# Allegro board pc065a_toplevel_16_allplaced.brd (continued)
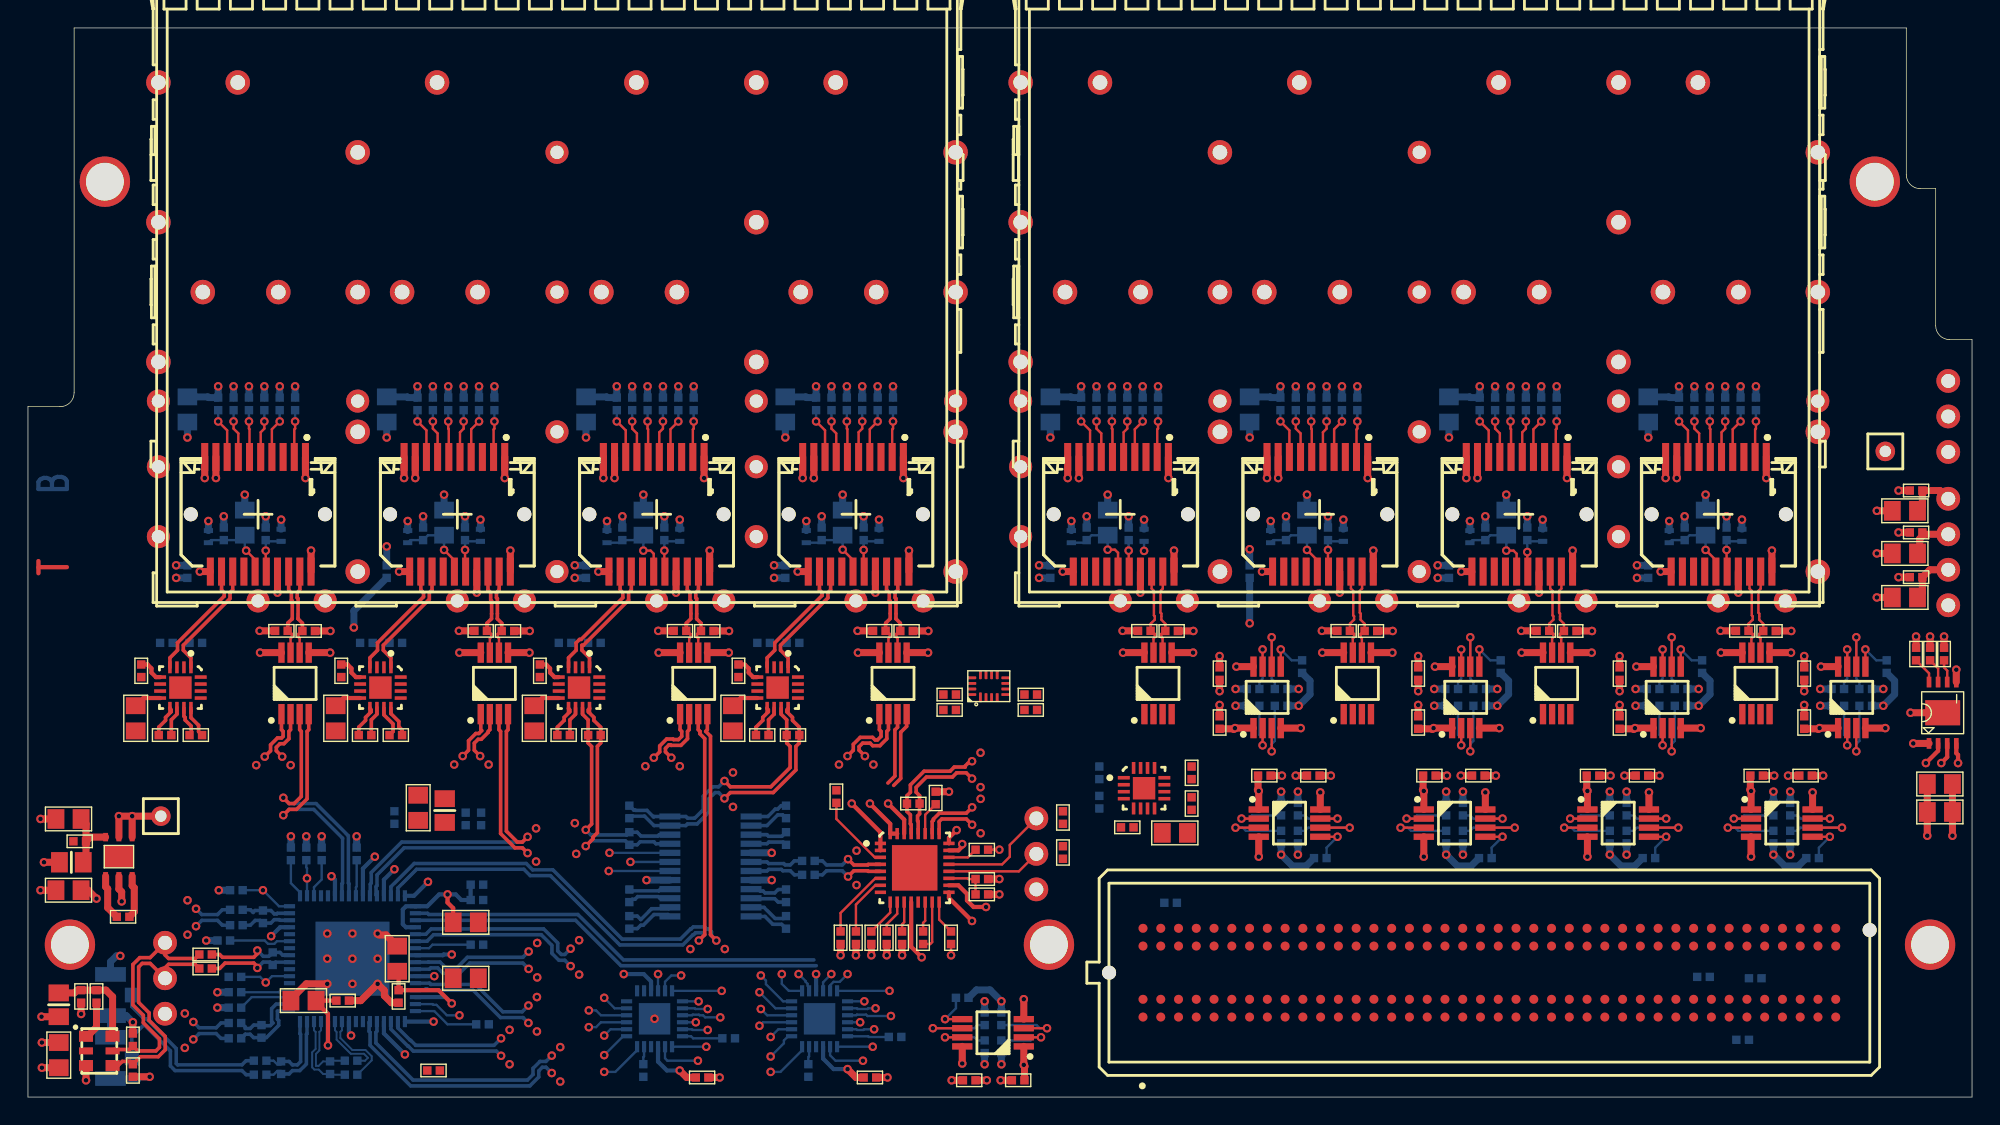
[diagram p0: board, top side]
## Routing (per net, layer and track width the routed paths; a pad name or vN(x,y) marks a point on that pad's centre or on a via; arc(x,y) is an arc through that point) (continued)
UNNAMED_1_CAPCERSMDCL2_I35_B_3: length 3.4
  TOP w0.17: v1(59.75,39.15) 59.75,37.64 J20.16
  BOTTOM w0.17: 60.85,39.77 59.84,39.77 C52.2 v1(59.75,39.15)
UNNAMED_1_CAPCERSMDCL2_I35_B_4: length 3.4
  TOP w0.17: v1(121.45,39.15) 121.45,37.64 J24.16
  BOTTOM w0.17: v1(121.45,39.15) C61.2 121.53,39.77 122.55,39.77
UNNAMED_1_CAPCERSMDCL2_I35_B_5: length 3.4
  TOP w0.17: v1(107.2,39) 107.2,37.64 J28.16
  BOTTOM w0.17: v1(107.2,39) C66.2 107.28,39.77 108.3,39.77
UNNAMED_1_CAPCERSMDCL2_I35_B_6: length 3.4
  TOP w0.17: J32.16 92.95,37.64 v1(92.95,39.15)
  BOTTOM w0.17: 94.05,39.77 93.03,39.77 C71.2 v1(92.95,39.15)
UNNAMED_1_CAPCERSMDCL2_I35_B_7: length 2.9
  TOP w0.17: J36.16 78.7,37.64 v1(78.7,39.1)
  BOTTOM w0.17: C76.2 v1(78.7,39.1) ; 79.8,39.77 v1(79.8,39.08)
UNNAMED_1_CON20PSFP_I19_RATES_1: length 3.5
  TOP w0.17: v1(28.95,48.35) 28.95,47.83 29.29,47.49 J12.7
  BOTTOM w0.17: R41.1 v1(28.95,48.35)
UNNAMED_1_CON20PSFP_I19_RATES_2: length 3.5
  TOP w0.17: J16.7 43.54,47.49 43.2,47.83 v1(43.2,48.35)
  BOTTOM w0.17: R49.1 v1(43.2,48.35)
UNNAMED_1_CON20PSFP_I19_RATES_3: length 3.5
  TOP w0.17: J20.7 57.79,47.49 57.45,47.83 v1(57.45,48.35)
  BOTTOM w0.17: R57.1 v1(57.45,48.35)
UNNAMED_1_CON20PSFP_I19_RATES_4: length 3.5
  TOP w0.17: v1(119.15,48.35) 119.15,47.83 119.49,47.49 J24.7
  BOTTOM w0.17: R106.1 v1(119.15,48.35)
UNNAMED_1_CON20PSFP_I19_RATES_5: length 3.5
  TOP w0.17: J28.7 105.24,47.49 104.9,47.83 v1(104.9,48.35)
  BOTTOM w0.17: R114.1 v1(104.9,48.35)
UNNAMED_1_CON20PSFP_I19_RATES_6: length 3.5
  TOP w0.17: v1(90.65,48.35) 90.65,47.83 90.99,47.49 J32.7
  BOTTOM w0.17: R122.1 v1(90.65,48.35)
UNNAMED_1_CON20PSFP_I19_RATES_7: length 3.5
  TOP w0.17: v1(76.4,48.35) 76.4,47.83 76.74,47.49 J36.7
  BOTTOM w0.17: R130.1 v1(76.4,48.35)
UNNAMED_1_CON20PSFP_I19_RATESEL: length 3.5
  TOP w0.17: J7.7 15.04,47.49 14.7,47.83 v1(14.7,48.35)
  BOTTOM w0.17: R29.1 v1(14.7,48.35)
UNNAMED_1_RSMD0402_I7_B: length 3.1
  TOP w0.17: IC11.5 v1(65.57,5.58)
  BOTTOM w0.17: v1(65.57,5.58) 66.35,6.35 R133.2
UNNAMED_1_RSMD0402_I7_B_1: length 3.1
  TOP w0.17: IC12.5 v1(93.63,18.62)
  BOTTOM w0.17: R138.2 92.85,17.85 v1(93.63,18.62)
UNNAMED_1_RSMD0402_I7_B_2: length 3.1
  TOP w0.17: IC14.5 v1(105.43,18.62)
  BOTTOM w0.17: R143.2 104.65,17.85 v1(105.43,18.62)
UNNAMED_1_RSMD0402_I7_B_3: length 3.1
  TOP w0.17: IC15.5 v1(117.13,18.62)
  BOTTOM w0.17: v1(117.13,18.62) 116.35,17.85 R148.2
UNNAMED_1_RSMD0402_I7_B_4: length 3.1
  TOP w0.17: IC16.5 v1(128.83,18.62)
  BOTTOM w0.17: v1(128.83,18.62) 128.05,17.85 R153.2
UNNAMED_1_RSMD0402_I7_B_5: length 3.1
  TOP w0.17: 89.58,30.8 v1(89.58,32.03)
  BOTTOM w0.17: R158.2 90.35,31.25 v1(89.58,32.03)
UNNAMED_1_RSMD0402_I7_B_6: length 3.1
  TOP w0.17: 103.78,30.8 v1(103.78,32.03)
  BOTTOM w0.17: R163.2 104.55,31.25 v1(103.78,32.03)
UNNAMED_1_RSMD0402_I7_B_7: length 3.1
  TOP w0.17: IC19.5 v1(118.17,32.03)
  BOTTOM w0.17: R168.2 118.95,31.25 v1(118.17,32.03)
UNNAMED_1_RSMD0402_I7_B_8: length 3.1
  TOP w0.17: IC20.5 v1(131.38,32.03)
  BOTTOM w0.17: v1(131.38,32.03) 132.15,31.25 R173.2
UNNAMED_7_CAPCERSMDCL2_I28_B: length 1.9
  TOP w0.17: U11.8 135.93,30.33 C101.2
UNNAMED_7_MP20075REG_I17_REF: length 1.6
  TOP w0.17: U11.6 137.22,30.51 137,30.74 R183.2
UNNAMED_8_DSC1123CI5_I74_EN: length 2.8
  TOP w0.5: R3.2 4.9,5 4.25,4.35 QZ1.1
UNNAMED_8_LP38692SD_I104_EN: length 3.1
  TOP w0.5: R2.2 7.6,13.25 7.6,14.97 7.45,15.12 U2.3
UNNAMED_8_RSMD0402_I25_B: length 3.8
  BOTTOM w0.17: R20.2 16,7.15 IC3.3
UNNAMED_8_RSMD0402_I26_B: length 3.5
  BOTTOM w0.17: IC3.4 18.09,7.65 17.94,7.5 R21.2
UNNAMED_8_RSMD0402_I28_B: length 4.7
  BOTTOM w0.17: IC3.48 29.05,6.15 30,5.2 R18.2
UNNAMED_8_RSMD0402_I29_B: length 2.6
  BOTTOM w0.17: IC3.25 23.45,15.01 23.5,15.06 R19.2
UNNAMED_8_RSMD0402_I30_B: length 4.1
  BOTTOM w0.17: R6.2 28.92,10.9 28.67,10.65 IC3.39
UNNAMED_8_RSMD0402_I66_B: length 4.4
  BOTTOM w0.17: R10.2 16.92,11.2 17.16,10.96 17.61,10.96 17.8,11.15 IC3.11
UNNAMED_8_RSMD0402_I67_B: length 2.8
  BOTTOM w0.17: R11.2 18.8,15.3 19.45,14.65 IC3.17
UNNAMED_8_RSMD0402_I68_B: length 2.8
  BOTTOM w0.17: IC3.19 20.45,15.01 21,15.56 R12.2
UNNAMED_10_ADN2814_I34_CF1: length 3.6
  TOP w0.17: C58.1 64.51,10.95 64.65,11.09 IC9.15
UNNAMED_10_ADN2814_I34_CF2: length 2.2
  TOP w0.17: C58.2 64,12.46 64.15,12.61 IC9.14
UNNAMED_10_ADN2814_I34_LOL: length 2.5
  TOP w0.17: R91.1 65.15,12.7 IC9.16
UNNAMED_10_ADN2814_I34_LOS: length 2.1
  TOP w0.17: IC9.22 67.2,17.15 R89.2
UNNAMED_10_ADN2814_I34_REFCLKN: length 2.2
  TOP w0.17: R85.2 62.5,12.36 62.65,12.51 IC9.11
UNNAMED_10_ADN2814_I34_REFCLKP: length 2.4
  TOP w0.17: R84.2 61.4,12.36 62.15,13.11 IC9.10
UNNAMED_10_ADN2814_I34_SADDRS: length 3
  TOP w0.17: IC9.19 67.19,15.65 67.24,15.6 R82.2 R83.2
UNNAMED_10_ADN2814_I34_SLICEN: length 4.2
  TOP w0.17: IC9.7 60.58,15.15 59.2,13.77 R87.2
UNNAMED_10_ADN2814_I34_SLICEP: length 5.2
  TOP w0.17: R86.2 58.1,13.17 60.58,15.65 IC9.6
UNNAMED_10_ADN2814_I34_SQUELCH: length 2.4
  TOP w0.17: IC9.27 64.15,20.2 R90.1
UNNAMED_10_ADN2814_I34_THRADJ: length 2.7
  TOP w0.17: IC9.9 61.65,13.2 R88.2
UNNAMED_10_ADN2814_I34_VREF: length 5.4
  TOP w0.17: C57.1 57.8,19.9 60.55,17.15 IC9.3
UNNAMED_13_RSMD0402_I6_B: length 3
  BOTTOM w0.17: IC10.18 60.07,4.35 60.12,4.3 R31.2
UNNAMED_13_RSMD0402_I8_B: length 1.3
  BOTTOM w0.17: R32.2 55.8,2.86 55.85,2.91 IC10.23
UNNAMED_13_RSMD0402_I45_B: length 2.9
  BOTTOM w0.17: R180.2 47.56,4.2 47.41,4.35 IC23.18
UNNAMED_13_RSMD0402_I46_B: length 1.3
  BOTTOM w0.17: IC23.23 44.05,2.91 44,2.86 R181.2
XA: length 6.2
  TOP w0.254: C29.1 13.7,9.2 14.09,9.59 16.15,9.59 16.4,9.33 v1(16.4,9.24)
  BOTTOM w0.254: v1(16.4,9.24) 16.82,9.66 17.29,9.66 R17.1 17.7,9.65 IC3.8
XB: length 6.3
  TOP w0.254: C30.1 13.7,10.2 13.9,10 16.15,10 16.4,10.25 v1(16.4,10.49)
  BOTTOM w0.254: v1(16.4,10.49) 16.82,10.07 17.22,10.07 R17.2 18.01,10.35 18.21,10.15 IC3.9

## Copper pours and planes (outline as drawn; the poured copper is in the pictures)
GND on L2: 0.5,0.5 138.5,0.5 138.5,53.7 137.4,53.7 136.34,54.14 135.9,55.2 135.9,64.5 135.3,64.5 134.24,64.94 133.8,66 133.8,76 3.8,76 3.8,50.4 3.36,49.34 2.3,48.9 0.5,48.9
P3V3 on L5: 0.5,0.5 138.5,0.5 138.5,53.7 137.4,53.7 136.34,54.14 135.9,55.2 135.9,64.5 135.3,64.5 134.24,64.94 133.8,66 133.8,76 3.8,76 3.8,50.4 3.36,49.34 2.3,48.9 0.5,48.9

## Text on the board
BOTTOM: B
User.Comments: PIN A1 REF. | SECOND CONNECTOR | (OPTIONAL) | PRIMARY CONNECTOR
TOP: T
L2: 2
L3: 3
L4: 4
L5: 5
DIMENSION: INPUT 1
